# Altium PCB OFFICIAL_TX.PcbDoc (part 2 of 2)
Units mil, origin at the board's own origin, x right, y up, seen from the top; angles counter-clockwise.
Board outline 2055 x 2066 mil, 2 copper layers (Top Layer, Bottom Layer); 109 components, 91 nets, 414 pads, 190 vias.
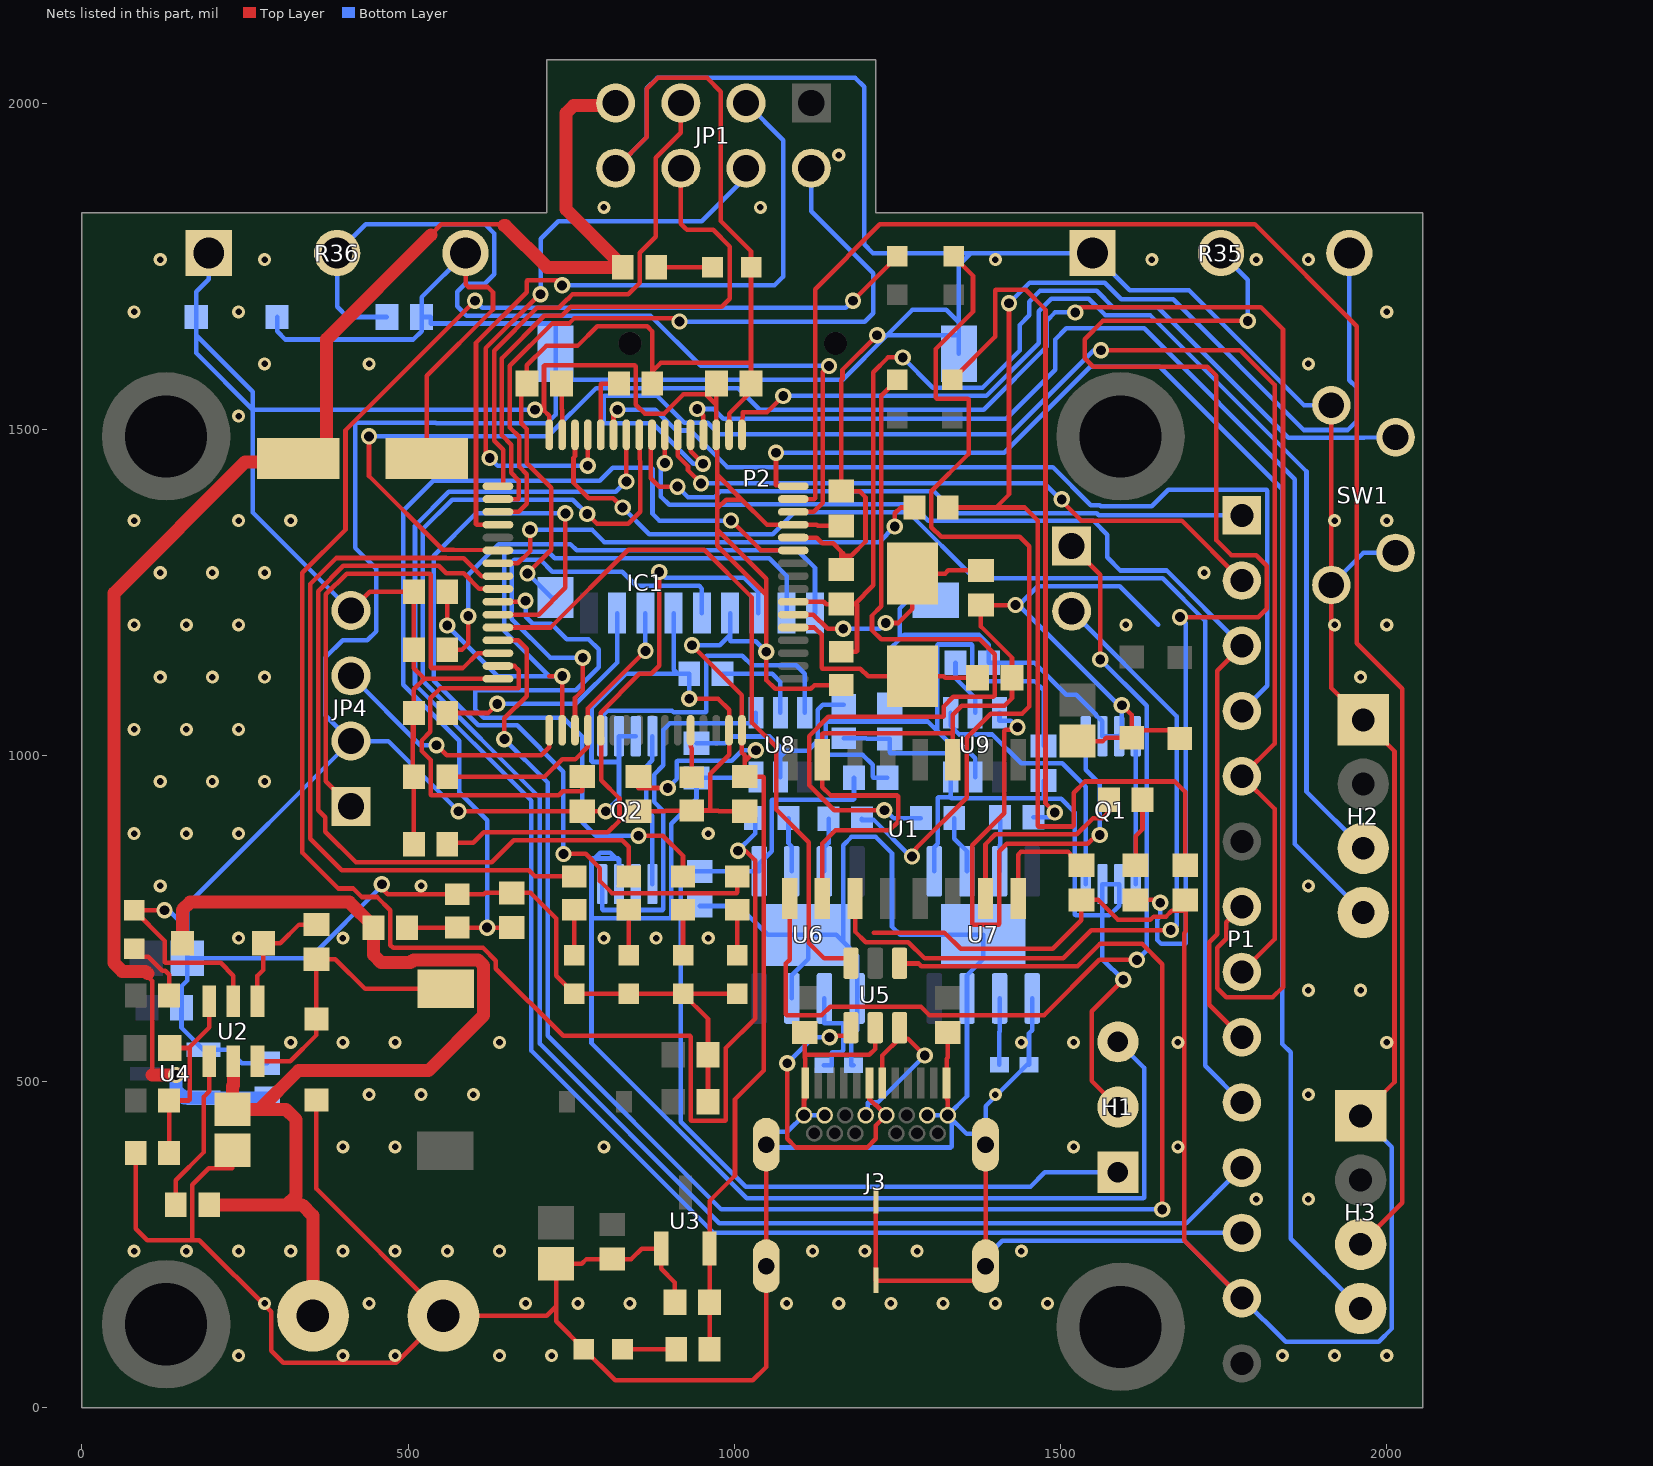
[diagram p2: the nets of this part, all layers, seen from the top]

## Via types
v1: diameter 20, hole 10, Top Layer to Bottom Layer, 106 vias
v2: diameter 25, hole 15, Top Layer to Bottom Layer, 84 vias

## Nets (pads, with @x,y where several pads share a name; then routed paths per layer and width w, separated by ;. In a path a pad name is that pad's centre, name@x,y a point inside that pad or via, vN(x,y) a via of type N, cw(c..) or ccw(c..) an arc to the next point about the centre after c; other vN are vias at no path point) (continued)
+8.4: C18.2 D8.1 KF1.1 R8.2 R18.2 U2.5 | length 1700
  Top Layer w20: D8.1@153.99,712 153.99,763.28 165.71,775 409.84,775 446.87,737.97 446.87,694.17 458.59,682.45 503.88,682.45 507.97,686.54 607.01,686.54 615.8,677.76 615.8,601.5 531.3,517 332,517 272.5,457.5 ; R18.2@195,311 314,311 ; U2.5@232,531 232,494.01 230.99,493 C18.2@230.99,457.5 272.5,457.5 ; KF1.1@354,141 354,294.5 337.5,311 314,311 ; 272.5,457.5 312.5,457.5 328,442 328,325 314,311
Audio_PWM: IC1.39 R10.1 | length 720.4
  Top Layer w7: IC1.39@637.62,1294.53 668.03,1294.53 686.86,1313.36 v2(686.86,1346) ; v2(1246,1351) 1246,1371 1255,1380 R10.1@1276.06,1380
  Bottom Layer w7: v2(686.86,1346) 781.88,1346 800.88,1327 1222,1327 v2(1246,1351)
B+: C31.1 H1.1 R28.2 U6.5 | length 1500
  Bottom Layer w7: R28.2@1183.41,966 1183.41,933 1182.41,932 1058.41,932 1057.41,931 1057.41,853.32 1038.09,834 U6.5@1038.09,822.31 C31.1@947,822.31 919,822.31 918,821.31 918,438.72 1017.72,339 1454,339 1476,361 H1.1@1588,361
B-: C32.1 H1.3 Q2.2 Q2.3 U8.6 | length 2089.3
  Bottom Layer w7: Q2.2@848.8,802.61 Q2.3@823.2,802.61 823.2,837.5 ; U8.6@1033.09,966.59 1024.97,966.59 1024.97,965.43 C32.1@942,965.43 942,934 903,895 903,751.5 902,750.5 782,750.5 781,751.5 ; H1.3@1588,561 1628,521 1628,322 1627,321 1018.75,321 781,558.75 781,751.5 ; 781,751.5 781,837.5 ; 781,837.5 785.5,842 ; 781,837.5 781,841 782,842 785.5,842 ; 785.5,842 794.5,851 809.7,851 818.7,842 ; 785.5,842 818.7,842 ; 818.7,842 823.2,837.5 ; 818.7,842 822.2,842 823.2,841 823.2,837.5
B_COM: C30.1 C33.1 H1.2 Q1.2 Q1.3 R27.2 U7.5 U9.6 | length 1297.2
  Top Layer w7: H1.2@1588,461 1548,501 1548,608 v2(1596,656)
  Bottom Layer w7: R27.2@1167.75,1026.41 1202,1026.41 1202.98,1025.43 C30.1@1238,1025.43 1238,1004.56 1239,1003.56 1330.04,1003.56 1331.6,1002 U9.6@1331.6,966.59 1331.6,939 ; U7.5@1306.58,822.31 1306.58,859 1311.95,864.37 1311.95,935 1312.95,936 1328.6,936 1331.6,939 ; C33.1@1474,961.43 1474,935 ; v2(1596,656) 1564.2,687.8 1564.2,755 ; 1331.6,939 1331.6,935 1332.6,934 1473,934 1474,935 ; 1474,935 1474,934.5 1475,933.5 1501,933.5 1522,912.5 1522,756 1523,755 1564.2,755 ; 1564.2,755 Q1.3@1564.2,802.61 Q1.2@1589.8,802.61 1589.8,769.8 1575,755 1564.2,755
BOOT0: IC1.60 R6.2 | length 72.9
  Top Layer w7: IC1.60@932.9,1038.62 932.9,1013.1 935,1011 R6.2@935,966.59
BOOT1: IC1.28 R7.2 | length 106
  Top Layer w7: IC1.28@795.1,1491.38 795.1,1569 796.1,1570 R7.2@823.08,1570
CHRG_LED: R29.1 U6.7 | length 83.3
  Bottom Layer w7: U6.7@1138.09,822.31 1138.09,859 1144.41,865.32 R29.1@1144.41,903
CHRG_LED_1: R31.1 U7.7 | length 83
  Bottom Layer w7: U7.7@1406.58,822.31 1406.58,863 1407.41,863.83 R31.1@1407.41,905
CLK_SD: IC1.51 P2.5 | length 685
  Top Layer w7: IC1.51@755.73,1038.62 755.73,1088 767.5,1099.77 v2(767.5,1149.55)
  Bottom Layer w7: v2(767.5,1149.55) 718.12,1149.55 659,1208.67 659,1296.12 662.88,1300 702.88,1300 721.11,1281.78 827.94,1281.78 849.72,1260 945.92,1260 950.35,1255.57 P2.5@950.35,1218.16
CS_SD: IC1.50 P2.2 R16.1 | length 1085.1
  Top Layer w7: v2(560.02,1199.02) R16.1@560.02,1251 ; 716.33,1121.5 v2(736.05,1121.5) IC1.50@736.05,1038.62
  Bottom Layer w7: v2(560.02,1199.02) 637.53,1121.5 716.33,1121.5 ; v2(736.05,1121.5) 716.33,1121.5 ; P2.2@1080.28,1218.16 1080.28,1275 1053.28,1302 724.88,1302 714.88,1312 650.88,1312 647,1308.12 647,1190.83 716.33,1121.5
DISPL_CS: IC1.26 P1.12 | length 2506.7
  Top Layer w7: v2(834.47,1420) IC1.26@834.47,1491.38
  Bottom Layer w7: v2(834.47,1420) 818.47,1404 562.5,1404 510.5,1352 510.5,1108.72 689,930.22 689,547.55 968.55,268 P1.12@1778,268
DISPL_DC: IC1.30 P1.10 | length 1919.7
  Top Layer w7: IC1.30@755.73,1491.38 755.73,1458.42 753.41,1456.1 753.41,1417.82 776.86,1394.37 814.36,1394.37 v2(828.73,1380)
  Bottom Layer w7: v2(828.73,1380) 869.73,1339 1058.59,1339 1092,1372.41 1267,1372.41 1367.98,1271.42 1656.55,1271.42 1722,1205.97 1722,524 P1.10@1778,468
DISPL_LED: IC1.38 P1.7 | length 3115.5
  Top Layer w7: v2(440,1489) 440,1428.21 553.21,1315 569.99,1315 IC1.38@637.62,1314.21 ; v2(1522.5,1679) 1530.75,1687.25 1807,1687.25 1841,1653.25 1841,645 1825,629 1754,629 1739.97,643.03 1739.97,705 1754,719.03 1754,744 P1.7@1778,768
  Bottom Layer w7: v2(440,1489) 714,1489 788,1563 1006,1563 1039,1530 1382.17,1530 1479,1626.83 1479,1666.5 1491.5,1679 v2(1522.5,1679)
DISPL_MOSI: IC1.23 P1.3 P1.9 | length 1745.3
  Top Layer w7: v2(893.53,1448) IC1.23@893.53,1491.38 ; P1.9@1778,568 1727.97,618.03 1727.97,713.84 1739.97,725.84 1739.97,1129.97 P1.3@1778,1168
  Bottom Layer w7: v2(893.53,1448) 887.5,1441.97 887.5,1396.5 900,1384 1015,1384 1016,1385 1271.38,1385 1296.96,1359.42 1550.44,1359.42 1571.39,1338.47 1571.39,1303.53 1591.49,1283.42 1662.58,1283.42 P1.3@1778,1168
DISPL_RST: IC1.25 P1.11 | length 2581.5
  Top Layer w7: v2(774.52,1370) 789.52,1355 837.5,1355 856,1373.5 856,1439.16 IC1.25@854.16,1491.38
  Bottom Layer w7: v2(774.52,1370) 752.52,1392 567.5,1392 522.5,1347 522.5,1114.22 702,934.72 702,558 977,283 1693,283 P1.11@1778,368
DISPL_SCK: IC1.21 P1.5 P1.8 | length 2360.8
  Top Layer w7: IC1.21@932.9,1491.38 932.9,1466.1 v2(952,1447) ; v2(1562,1621) 1775,1621 1828.03,1567.97 1828.03,1018.03 P1.5@1778,968 1828.03,917.97 1828.03,718.03 P1.8@1778,668
  Bottom Layer w7: v2(952,1447) 937,1447 875,1509 801,1509 800,1510 800,1550 801,1551 882,1551 923,1510 959,1510 977,1492 1422.07,1492 1551.07,1621 v2(1562,1621)
GND: C1.1 C2.1 C3.1 C4.1 C5.1 C6.1 C7.1 C8.1 C9.1 C10.1 C11.1 C12.2 C14.1 C15.1 C18.1 C20.1 C21.1 C22.1 C23.1 C24.1 C25.1 C26.1 C27.1 C28.1 C29.1 C30.2 C31.2 C40.1 D1.2 D2.2 D3.2 D4.2 D5.1 D6.1 D7.1 D9.1 D10.2 D11.2 D12.2 H2.1 H3.1 IC1.12 IC1.18 IC1.63 J3.A1 J3.A12 J3.B1 J3.B12 J3.G1 J3.G2 J3.G3 J3.G4 J3.S1 J3.S2 J3.S3 J3.S4 JP1.5 JP4.2 KF1.2 P1.13 P2.6 P2.G1 P2.G2 P2.G3 P2.G4 Q1.6 Q1.7 Q2.6 Q2.7 R6.1 R7.1 R9.1 R20.1 R23.1 R24.1 R25.2 R26.2 R35.1 R36.3 SW1.1 SW1.G1 SW1.G2 U1.2 U1.11 U1.15 U2.2 U3.1 U4.1 U5.2 U6.1 U6.3 U6.9 U7.1 U7.3 U7.9 | length 22107.4
  Top Layer w7: R20.1@82.41,390.56 82.41,274.59 100,257 169.05,257 ; v2(126.49,762.53) D10.2@80,762.53 127,715.53 127,683 128,682 212.5,682 232,662.5 U2.2@232,623 ; C18.1@230.99,394.5 229.99,367 194.05,367 169.05,342 169.05,257 ; D9.1@359.43,471.99 359.43,335.57 KF1.2@554,141 ; v2(459.76,802.64) 459.76,796.84 459.46,796.54 468.82,787.18 R9.1@575,787.18 616,787.18 617.97,789.15 C10.1@659,789.15 687.85,789.15 727,750 727,662.02 D1.2@754.67,634.34 D2.2@838.01,634.34 D3.2@921.34,634.34 ; C12.2@528.43,1455 528.43,1581.93 630,1683.5 630,1710 622,1718 592.1,1718 588,1722.1 R36.3@588,1770 ; v2(577.07,914.43) C9.1@767,914.43 v2(803,914.43) ; v2(683,1279) 719.5,1315.5 719.5,1410.5 682,1448 682,1500.36 673.36,1509 673.36,1570 C8.1@682,1570 682,1598 711.64,1627.64 759.53,1627.64 789.66,1657.76 866.34,1657.76 874.26,1649.84 874.26,1588.76 ; JP1.5@818,1900 866,1948 866,2022 882.42,2038.42 958.36,2038.42 979.42,2017.35 979.42,1819.15 1025.57,1773 D12.2@1025.57,1748 1025.57,1601 ; C4.1@853,914.43 893,914.43 893.98,915.41 R6.1@935,915.41 ; R7.1@874.26,1570 874.26,1588.76 ; C22.1@908.85,162 908.85,192 888,212.85 U3.1@888,244 858.02,244 842,227.98 C21.1@812.94,227.98 773.36,227.98 766,220.62 C20.1@726.94,220.62 726.94,155.44 ; v2(930.82,1087) 975,1087 991.95,1070.05 IC1.63@991.95,1038.62 991.95,1001 963,972.05 963,916.41 R6.1@935,915.41 ; C29.1@959.57,469 C27.1@959.57,541 959.57,596.11 D3.2@921.34,634.34 ; IC1.18@991.95,1491.38 991.95,1524 1025.57,1557.62 C5.1@1025.57,1570 1025.57,1601 ; D4.2@1004.67,634.34 D3.2@921.34,634.34 ; C6.1@1016,914.43 975.98,914.43 975,915.41 R6.1@935,915.41 ; J3.S1@1048.89,403.22 J3.S3@1048.89,217 1048.89,62.5 1028.39,42 817.47,42 D11.2@769.47,90 726.94,132.53 726.94,155.44 ; IC1.12@1090.38,1333.9 1126.1,1333.9 1135,1325 1151.5,1325 1164,1312.5 C1.1@1164,1285.05 1166.75,1309.75 1166.75,1306 1179.18,1306 1201,1327.82 1201,1396 1192,1405 C7.1@1164,1405 1164,1575.33 1165.81,1577.14 1165.81,1591 v2(1218.81,1644) ; J3.B12@1106.76,448.5 1106.76,472 1108.73,473.97 J3.A1@1108.73,497.71 1108.73,536 1108,536.73 1108,542 ; C28.1@1108,575.43 1108,542 ; U1.2@1135,780.7 1135,865 1155,885 1237.5,885 1251,898.5 1251,937.5 1250,938.5 1147.5,938.5 1135,951 U1.15@1135,993.3 1135,1033 1136,1034 1334,1034 1335,1033 ; 1214,728.43 1322.07,728.43 1346.8,703.7 1488.2,703.7 1532,747.5 C15.1@1532,778.43 1557.57,778.43 1588,748 1637.57,748 1642.57,753 1661.7,753 1670.31,761.61 C14.1@1691,761.61 ; U5.2@1216,582.59 1216,550 1207,541 1109,541 1108,542 ; J3.G3@1217,317.39 J3.G4@1217,195.35 1217,195 1385.11,195 J3.S4@1385.11,217 J3.S2@1385.11,403.22 ; J3.B1@1327.24,448.5 1327.24,472 1325.27,473.97 J3.A12@1325.27,497.71 1325.27,535 1327.24,536.97 C26.1@1327.24,575.43 ; U1.11@1335,993.3 1335,1033 ; v2(1431,1230.43) C2.1@1378,1230.43 1378,1197.57 1425.57,1150 C3.1@1425.57,1119 1425.57,1087.5 1414.07,1076 1348.5,1076 1335,1062.5 1335,1033 ; C40.1@1526,1022 1565,1022 1569.99,1026.99 D7.1@1609,1026.99 D7.1@1609,1038.49 ; v2(1594,1077) 1609,1062 D7.1@1609,1038.49 ; D6.1@1683,1025.99 1683,1038.49 D7.1@1609,1038.49 ; C14.1@1691,778.43 C14.1@1691,761.61 ; P1.13@1778,168 1689.5,256.5 1689.5,727.69 1692,730.19 1692,760.34 C14.1@1691,761.61 ; SW1.G2@1915.13,1536.8 SW1.G1@1915.13,1261.2 1915.13,1103.3 H2.1@1964,1054.43 2011.87,1006.55 2011.87,499.3 H3.1@1960,447.43 ; 169.05,257 180,257 290,147 290,87.5 308.5,69 482,69 KF1.2@554,141 ; KF1.2@554,141 712.5,141 726.94,155.44 ; 874.26,1588.76 887.5,1602 1024.57,1602 1025.57,1601
  Bottom Layer w7: v2(126.49,762.53) 133,762.53 161.5,734.03 ; C25.1@284,528.15 244.85,528.15 224,549 U4.1@186,549 152.57,582.43 C24.1@152.57,613 152.57,646 161.5,654.92 C23.1@161.5,689.04 ; D5.1@299.17,1672 299.17,1650 311.67,1637.5 508.07,1637.5 520.57,1650 C11.1@520.57,1672 ; v2(459.76,802.64) 459.76,799.76 349.04,689.04 C23.1@161.5,689.04 ; v2(577.07,914.43) 469.5,1022 JP4.2@412.32,1022 ; R36.3@588,1770 520.57,1702.57 C11.1@520.57,1672 ; v2(683,1279) 720.22,1241.78 P2.G1@725.94,1241.78 ; v2(803,914.43) 823.2,934.63 823.2,991 ; JP1.5@818,1900 866,1948 866,2022.9 881.52,2038.42 1185.58,2038.42 1199,2025 1199,1783.5 1212.5,1770 1362.5,1770 ; Q2.7@848.8,1029.39 Q2.6@823.2,1029.39 823.2,991 ; P2.6@907.05,1218.16 907.05,1131.03 913.08,1125 ; v2(930.82,1087) R25.2@930.82,1125 913.08,1125 ; C31.2@947,769.16 1007,769.16 1051.29,724.87 U6.9@1113.09,724.87 ; U6.3@1088.09,627.43 1088.09,663 1113.09,688 U6.9@1113.09,724.87 ; J3.G2@1138.26,448.5 J3.B12@1106.76,448.5 1081.27,423 1048.89,423 J3.S1@1048.89,403.22 1048.89,399 1332,399 1333,400 1333,442 1327.24,442 J3.B1@1327.24,448.5 ; R23.1@1182.64,525 1179,525 1179,569.36 1188.09,578.45 U6.1@1188.09,627.43 1188.09,693 U6.9@1167,714.09 ; v2(1218.81,1644) 1234,1644 ; C30.2@1238,1078.57 1238,1162.5 1253.24,1177.74 ; J3.G1@1295.74,448.5 J3.B1@1327.24,448.5 ; P2.G4@1308.62,1237.84 1266.08,1237.84 1253.24,1225 1253.24,1177.74 ; P2.G3@1344.06,1615.8 P2.G3@1344.06,1644 ; J3.S4@1385.11,217 1385.11,230.1 1410.93,255.93 1690.07,255.93 P1.13@1778,168 1845,101 1987.5,101 2008,121.5 2008,399.43 H3.1@1960,447.43 ; J3.S2@1385.11,403.22 J3.S2@1385.11,419.73 ; v2(1431,1230.43) v2@1435.79,1230.43 ; U7.1@1456.58,627.43 1456.58,578.94 1451.64,574 R24.1@1451.64,526 1448.61,526 1385.11,462.5 J3.S2@1385.11,419.73 ; 1650,1200 1590.58,1259.42 1464.78,1259.42 v2@1435.79,1230.43 ; SW1.G1@1915.13,1261.2 1964.34,1310.42 SW1.1@2013.55,1310.42 ; SW1.G2@1915.13,1536.8 1873.16,1536.8 1696.91,1713.05 1605.95,1713.05 R35.1@1549,1770 1362.5,1770 ; C23.1@161.5,689.04 161.5,734.03 ; 161.5,734.03 161.5,771.17 JP4.2@412.32,1022 ; JP4.2@412.32,1022 373,1061.32 373,1150 399.5,1176.5 437.5,1176.5 451,1190 451,1286 419,1318 419,1509 420,1510 542,1510 543,1509 712.5,1509 725.94,1522.44 P2.G2@725.94,1576 ; C11.1@520.57,1672 534.42,1672 534.42,1662 724.94,1662 725.94,1661 P2.G2@725.94,1615.8 P2.G2@725.94,1576 ; P2.G2@725.94,1576 1166,1576 1234,1644 ; 823.2,991 822.11,989.91 782,989.91 781,990.91 781,1072 834,1125 913.08,1125 ; U6.9@1113.09,724.87 1156.22,724.87 U6.9@1167,714.09 ; U6.9@1167,714.09 1167,862.5 1179.5,875 1216.5,875 1241.63,849.87 1241.63,737.5 1254.27,724.87 U7.9@1381.58,724.87 1381.58,688 1356.58,663 U7.3@1356.58,627.43 1356.58,477.84 J3.B1@1327.24,448.5 ; 1234,1644 P2.G3@1344.06,1644 ; 1234,1644 1273,1683 1325,1683 1344.06,1663.94 ; 1253.24,1177.74 1260.5,1185 1375,1185 1390.17,1169.83 R26.2@1390.17,1142 1460,1142 1508.87,1093.13 1524.32,1093.13 1548.86,1068.59 1554.99,1062.46 1554.99,1060.7 1559.09,1056.59 1559.83,1056.59 1564.2,1052.22 Q1.6@1564.2,1029.39 Q1.7@1589.8,1029.39 1594,1033.59 v2(1594,1077) 1589.21,1077 v2@1435.79,1230.43 ; J3.B1@1327.24,448.5 1356,419.73 J3.S2@1385.11,419.73 ; P2.G3@1344.06,1644 1344.06,1663.94 ; 1344.06,1663.94 1344.06,1751.56 1362.5,1770
  other v1: 240,80 400,80 480,80 640,80 720,80 1840,80 1920,80 2000,80 280,160 440,160 680,160 760,160 840,160 1080,160 1160,160 1240,160 1320,160 1400,160 1480,160 80,240 160,240 240,240 320,240 400,240 480,240 560,240 640,240 1120,240 1200,240 1280,240 1440,240 1800,320 1880,320 400,400 480,400 800,400 1520,400 1680,400 440,480 520,480 600,480 1400,480 1880,480 320,560 400,560 480,560 640,560 1440,560 1520,560 1680,560 2000,560 1880,640 1960,640 240,720 400,720 800,720 880,720 960,720 120,800 520,800 1880,800 80,880 160,880 240,880 960,880 120,960 200,960 280,960 80,1040 160,1040 240,1040 120,1120 200,1120 280,1120 1960,1120 80,1200 160,1200 240,1200 1600,1200 1920,1200 2000,1200 120,1280 200,1280 280,1280 1720,1280 80,1360 240,1360 320,1360 1920,1360 2000,1360 240,1520 280,1600 440,1600 1880,1600 80,1680 240,1680 2000,1680 120,1760 280,1760 1400,1760 1640,1760 1800,1760 1880,1760 800,1840 1040,1840 1160,1920
JOY1_X: H3.3 IC1.15 | length 2753.4
  Top Layer w7: IC1.15@1090.38,1392.95 1122.77,1392.95 1123.81,1394 1123.81,1714.81 1223,1814 1798,1814 1954,1658 1954,1172 2023.87,1102.13 2023.87,314.45 H3.3@1960,250.58
JOY1_Y: H3.4 IC1.16 | length 2290.9
  Top Layer w7: v2(1063.86,1464) 1063.86,1413.78 IC1.16@1090.38,1412.64
  Bottom Layer w7: v2(1063.86,1464) 1413.56,1464 1545.49,1595.93 1652.07,1595.93 1840.03,1407.97 1840.03,557.67 1853,544.7 1853,259.15 H3.4@1960,152.15
JOY2_X: H2.3 IC1.17 | length 1723.3
  Top Layer w7: IC1.17@1011.64,1491.38 1012.64,1526 1050,1526 v2(1075,1551)
  Bottom Layer w7: v2(1075,1551) 1386,1551 1466.62,1631.62 1466.62,1680.93 1485.69,1700 1543.5,1700 1568.5,1675 1637.21,1675 1877,1435.21 1877,944.58 H2.3@1964,857.58
JOY2_Y: H2.4 IC1.20 | length 1854
  Top Layer w7: v2(943,1531) 952.58,1521.42 IC1.20@952.58,1491.38
  Bottom Layer w7: v2(943,1531) 968.19,1531 983.19,1516 1417,1516 1492,1591 1492,1637.5 1509,1654.5 1628.03,1654.5 1859,1423.53 1859,864.15 H2.4@1964,759.15
LED1: IC1.40 R1.1 | length 1135
  Top Layer w7: IC1.40@637.62,1274.84 612.5,1274.84 585.13,1302.21 558.78,1302.21 558.39,1302.61 389.75,1302.61 349.9,1262.76 349.9,872.1 398,824 685,824 694.42,814.58 R1.1@754.67,814.58
LED2: IC1.41 R2.1 | length 1228.1
  Top Layer w7: IC1.41@637.62,1255.16 609,1255.16 585.16,1279 558.61,1279 547,1290.61 400.61,1290.61 361.9,1251.9 361.9,916.1 373,905 373,883 420,836 628,836 662,870 828.01,870 838.01,860 R2.1@838.01,814.58
LED3: IC1.42 R3.1 | length 979.6
  Top Layer w7: IC1.42@637.62,1235.47 678.47,1235.47 v2(680,1237) ; v2(853,877) 890.34,877 921.34,846 R3.1@921.34,814.58
  Bottom Layer w7: v2(680,1237) 680,1212.78 691,1201.78 719.38,1201.78 743,1178.16 776.39,1178.16 792.06,1162.5 792.06,1135.06 757,1100 604,1100 603.16,1099.16 603.16,1070.44 615.6,1058 738,1058 767,1029 767,897.5 787.5,877 v2(853,877)
LED4: IC1.43 R5.1 | length 1365.6
  Top Layer w7: IC1.43@637.62,1215.79 700,1215.79 741,1256.79 v2(741,1371) ; v2(738,849) 772,849 794,827 794,807.5 812.5,789 1003.67,789 1004.67,790 R5.1@1004.67,814.58
  Bottom Layer w7: v2(738,849) 738,975 667,1046 607.69,1046 539,1114.69 539,1306 604,1371 v2(741,1371)
MISO_SD: IC1.52 P2.7 R13.1 | length 476.2
  Top Layer w7: R13.1@560.02,967 709,967 736,994 756.42,994 775.42,1013 IC1.52@775.42,1038.62 775.42,1071.92 v2(863.74,1160.24)
  Bottom Layer w7: v2(863.74,1160.24) P2.7@863.74,1218.16
MOSI_SD: IC1.53 P2.3 R12.1 | length 917.3
  Top Layer w7: R12.1@560.02,863.85 560.02,866 600,866 616,882 806,882 824,900 824,934 796,962 796,1020.1 IC1.53@795.1,1038.62 795.1,1065.6 854.5,1125 872.5,1125 885,1137.5 v2(885,1281)
  Bottom Layer w7: v2(885,1281) 894,1272 1014.97,1272 1036.97,1250 P2.3@1036.97,1218.16
NetC13_1: C13.1 R35.2 | length 1823.8
  Top Layer w7: C13.1@1615,778.43 1648.43,778.43 1652.85,774 v2(1653,774) ; v2(1683,1212) 1803.03,1212 1816.03,1225 1816.03,1290.97 1800,1307 1762,1307 1739,1330 1739,1581.93 1725,1595.93 1550,1595.93 1537.07,1608.85 1537.07,1638.07 1565,1666 v2(1787,1666)
  Bottom Layer w7: v2(1653,774) 1653,753.42 1648.05,748.47 1648.05,717.05 1654.1,711 1691,711 1692,712 1692,1203 v2(1683,1212) ; R35.2@1745.85,1770 1787,1728.85 v2(1787,1666)
NetC13_2: C13.2 R11.1 | length 104.8
  Top Layer w7: C13.2@1615,831.57 1615,876 1625.59,886.59 R11.1@1625.59,932
NetC14_2: C14.2 R10.2 R35.3 | length 2246.4
  Top Layer w7: R10.2@1327.24,1380 1401,1380 ; v2(1421,1693) 1421,1400 1401,1380 ; C14.2@1691,831.57 1691,944 1675,960 1537.5,960 1520,942.5 1520,892 1519,891 1466,891 1465,892 1465,1360 1445,1380 1401,1380
  Bottom Layer w7: v2(1421,1693) 1452.5,1724.5 1567.5,1724.5 1593,1699 1672.77,1699 1873,1498.77 1940.27,1498.77 1954,1512.5 1954,1564 1942.7,1575.3 R35.3@1942.7,1770
NetC15_2: C15.2 U1.8 | length 175.5
  Top Layer w7: U1.8@1435,780.7 1435,847.9 1439.1,852 1511.57,852 1515.81,847.76 1515.81,845.79 1530.03,831.57 C15.2@1532,831.57
NetC16_1: C16.1 R17.1 R20.2 U2.3 | length 306.1
  Top Layer w7: R20.2@133.59,390.56 R17.1@133.59,471.04 164,471.04 165,472.04 165,550.52 164,551.52 163.52,551.52 ; C16.1@134.57,551.52 163.52,551.52 ; U2.3@195,623 195,583 163.52,551.52
NetC17_1: C17.1 D9.2 L1.1 U2.6 | length 440.3
  Top Layer w7: U2.6@269,531 319,531 359.43,571.43 C17.1@359.43,687.59 388.41,687.59 433.98,642.02 L1.1@557.49,642.02
NetC17_2: C17.2 D8.2 U2.1 | length 186.1
  Top Layer w7: U2.1@269,623 269,662 278.01,671.01 D8.2@278.01,712 304,712 332.74,740.74 C17.2@359.43,740.74
NetC32_2: C32.2 R27.1 U8.5 | length 343.6
  Bottom Layer w7: C32.2@942,1018.57 986.11,1018.57 996.54,1029 1054,1029 1070.49,1012.51 1070.49,998 ; U8.5@1070.49,966.59 1070.49,998 ; R27.1@1167.75,1077.59 1135.6,1077.59 1128.01,1070 1128.01,1022.51 1112.5,1007 1079.49,1007 1070.49,998
NetC33_2: C33.2 R28.1 U9.5 | length 892
  Bottom Layer w7: R28.1@1234.59,966 1213,966 1212,967 1212,985.5 1196.5,1001 1141,1001 1140.01,1001.99 1140.01,1051.01 1141,1052 1296.56,1052 1311,1037.56 ; U9.5@1369,966.59 1369,995.56 1349,1015.56 1333,1015.56 1311,1037.56 ; C33.2@1474,1014.57 1474,1100 1460,1114 1365.93,1114 1364.93,1115 1364.93,1169 1363.93,1170 1312,1170 1311,1169 1311,1037.56
NetD1_1: D1.1 R1.2 | length 70
  Top Layer w7: D1.1@754.67,693.4 R1.2@754.67,763.4
NetD2_1: D2.1 R2.2 | length 70
  Top Layer w7: D2.1@838.01,693.4 R2.2@838.01,763.4
NetD3_1: D3.1 R3.2 | length 70
  Top Layer w7: D3.1@921.34,693.4 R3.2@921.34,763.4
NetD4_1: D4.1 R5.2 | length 70
  Top Layer w7: D4.1@1004.67,693.4 R5.2@1004.67,763.4
NetD10_1: D10.1 R19.1 | length 101.9
  Top Layer w7: D10.1@80,703.47 92.25,691.22 101.81,691.22 123.03,670 127.59,670 133.59,664 R19.1@133.59,632
NetD11_1: D11.1 R21.1 | length 82.3
  Top Layer w7: D11.1@828.53,90 R21.1@910.82,90
NetD12_1: D12.1 R22.1 | length 86.3
  Top Layer w7: R22.1@880.18,1748 D12.1@966.52,1748
NetD14_2: D14.2 R30.1 | length 3083.7
  Top Layer w7: v2(602.5,1697) 404,1498.5 404,1345.81 337.9,1279.71 337.9,851.1 393,796 415.84,796 428.84,783 452.32,783 472.82,762.5 472.82,709.14 476.92,705.04 614.68,705.04 634.3,685.42 634.3,673.2 737.5,570 932,570 933,569 933,441 934,440 986,440 987,441 987,551.5 1032,596.5 1032,839 1017,854 v2(1005.5,854) ; v2(1181.94,1697) D14.2@1250,1765.06
  Bottom Layer w7: v2(602.5,1697) 613.5,1686 1170.94,1686 v2(1181.94,1697) ; v2(1005.5,854) 1031.82,880.32 R30.1@1031.82,904
NetD15_2: D15.2 R32.1 | length 1253
  Top Layer w7: v2(1230,916) 1153.03,916 1114.69,954.34 1114.69,1029.66 1144.03,1059 1320,1059 1321,1060 1321,1075 1335.81,1089.81 1397,1089.81 1399,1091.81 1399,1155 1376,1178 1225,1178 1211,1192 1211,1214.39 1225,1228.39 1225,1551.06 D15.2@1250,1576.06
  Bottom Layer w7: v2(1230,916) 1231.5,916 1243.5,904 R32.1@1286,904
NetD16_2: D16.2 R29.2 | length 1365.3
  Top Layer w7: v2(1272.24,845.17) 1272.24,850.04 1279.1,856.9 1279.1,858.1 1356,935 1356,1027 1393,1064 1441,1064 1452,1075 1452,1320.5 1437.5,1335 1317,1335 1302,1350 1302,1405 1359,1462 1359,1546 1358,1547 1310,1547 1309,1548 1309,1622.97 1365.82,1679.79 1365.82,1735.24 D16.2@1336,1765.06
  Bottom Layer w7: R29.2@1195.59,903 1195.59,901 1214,901 1269.83,845.17 v2(1272.24,845.17)
NetD17_2: D17.2 R31.2 | length 1066.6
  Top Layer w7: D17.2@1334,1576.06 1400,1642.06 1400,1713 1401,1714 1446.45,1714 1477,1683.45 1477,926.5 v2(1491,912.5)
  Bottom Layer w7: R31.2@1458.59,905 1483.5,905 v2(1491,912.5)
NetJ3_A6: J3.A6 J3.B6 U5.1 | length 493.4
  Top Layer w7: v2(1081,528) 1081,412.5 1094.5,399 1203.5,399 1217,412.5 1217,432.75 J3.B6@1232.75,448.5 1217,464.24 1215.62,464.24 1207.16,472.71 J3.A6@1207.16,497.71 ; v2(1146,568) 1148,570 1178.6,570 U5.1@1178.6,582.59
  Bottom Layer w7: v2(1081,528) 1121,568 v2(1146,568)
NetJ3_A7: J3.A7 J3.B7 U5.3 | length 283.5
  Top Layer w7: J3.A7@1226.84,497.71 1226.84,540 U5.3@1253.4,566.56 ; U5.3@1253.4,582.59 U5.3@1253.4,566.56 ; v2(1292,540) 1266,566 1253.4,566 U5.3@1253.4,566.56
  Bottom Layer w7: J3.B7@1201.25,448.5 1204.81,452.05 1204.81,467.46 1205.35,468 1220,468 v2(1292,540)
NetJP5_1: JP5.1 U1.1 | length 1452.6
  Top Layer w7: U1.1@1085,780.7 1085,687 1079,681 1079,603 1080,602 1134,602 1146.91,614.91 1286.09,614.91 1299,602 1475,602 1559.56,686.56 v2(1617,686.56) ; JP5.1@1517,1321 1561,1277 v2(1561,1147)
  Bottom Layer w7: v2(1561,1147) 1632,1076 1632,701.56 v2(1617,686.56)
NetJP5_2: JP5.2 U1.3 | length 1130.3
  Top Layer w7: U1.3@1185,780.7 1185,730 1201.27,713.73 1266.84,713.73 1291.57,689 1504,689 1547,732 1668.59,732 v2(1669.05,732.45)
  Bottom Layer w7: JP5.2@1517,1221 1678.28,1059.72 1678.28,739.28 1671.45,732.45 v2(1669.05,732.45)
NetP2_1: P2.1 R15.1 | length 777
  Top Layer w7: R15.1@560.02,1162 582.5,1162 592,1171.5 v2(592,1213.5)
  Bottom Layer w7: v2(592,1213.5) 592,1277.12 638.88,1324 748.54,1324 758.16,1314.38 1096.7,1314.38 1123.58,1287.5 P2.1@1123.58,1218.16
NetP2_8: P2.8 R14.1 | length 368.3
  Top Layer w7: R14.1@560.02,1065 622.5,1065 v2(636.5,1079)
  Bottom Layer w7: v2(636.5,1079) 757.06,1079 820.43,1142.38 P2.8@820.43,1218.16
NetQ1_1: Q1.1 Q1.8 | length 226.8
  Bottom Layer w7: Q1.1@1615.39,802.61 Q1.8@1615.39,1029.39
NetQ1_4: Q1.4 U9.1 | length 415.1
  Bottom Layer w7: U9.1@1331.6,1065.41 1331.6,1045.4 1345,1032 1395.5,1032 1439.5,988 1502.61,988 1538.61,952 Q1.4@1538.61,802.61
NetQ1_5: Q1.5 U9.3 | length 861.1
  Top Layer w7: v2(1434,1043) 1434,1042.5 1430.5,1039 1415,1039 1414,1038 1414,911.31 1364.69,862 1364.69,742 1365.98,740.7 1405,740.7 1406,741.7 1406,853 1417.66,864.66 1541.79,864.66 1555.13,878 v2(1560,878)
  Bottom Layer w7: U9.3@1406.4,1065.41 1406.4,1053 1424,1053 v2(1434,1043) ; Q1.5@1538.61,1029.39 1538.61,978 1560,956.61 v2(1560,878)
NetQ2_1: Q2.1 Q2.8 | length 234.5
  Bottom Layer w7: Q2.1@874.39,802.61 874.39,907.61 865,917 865,983 874.39,992.39 Q2.8@874.39,1029.39
NetQ2_4: Q2.4 U8.1 | length 582.1
  Bottom Layer w7: Q2.4@797.61,802.61 797.61,764 798.61,763 890,763 891,764 891,914.64 877,928.64 877,970.64 891,984.64 891,1039 901,1049 1033.09,1049 U8.1@1033.09,1065.41
NetQ2_5: Q2.5 U8.3 | length 503.1
  Bottom Layer w7: Q2.5@797.61,1029.39 797.61,1060.98 805.25,1068.61 904.39,1068.61 907,1066 955.77,1066 956.77,1067 956.77,1152 957.77,1153 1012,1153 1027,1138 1094.89,1138 1107.89,1125 U8.3@1107.89,1065.41
NetR11_2: R11.2 U1.7 | length 311.8
  Top Layer w7: U1.7@1385,780.7 1385,864 1400,879 1525,879 1549.79,903.79 1564.79,903.79 1574.41,913.41 R11.2@1574.41,932
NetR18_1: R18.1 U2.4 | length 241.2
  Top Layer w7: R18.1@143.82,311 143.82,348.82 187,392 187,477 195,485 U2.4@195,531
NetR23_2: R23.2 U6.2 | length 158
  Bottom Layer w7: R23.2@1137.36,525 1148.97,525 1148.97,544 1149.97,545 1164,545 1167,548 1167,588.45 1166,589.45 1138.09,589.45 U6.2@1138.09,627.43
NetR24_2: R24.2 U7.2 | length 101.5
  Bottom Layer w7: R24.2@1406.36,526 1406.36,576 1406.58,576.22 U7.2@1406.58,627.43
NetR25_1: R25.1 U8.2 | length 140.8
  Bottom Layer w7: R25.1@982,1125 1057.99,1125 1070.49,1112.5 U8.2@1070.49,1065.41
NetR26_1: R26.1 U9.2 | length 89
  Bottom Layer w7: R26.1@1338.98,1142 1338.98,1118.02 1369,1088 U9.2@1369,1065.41
NRST: C1.2 IC1.7 R4.1 SW1.2 | length 1581.1
  Top Layer w7: IC1.7@1090.38,1235.47 1137.21,1235.47 1140.78,1231.9 C1.2@1164,1231.9 1184.36,1231.9 ; R4.1@1164,1159 1187,1159 1188,1160 1188,1230.9 1184.36,1231.9 ; v2(1258,1610) 1235.5,1610 1213,1587.5 1213,1260.54 1184.36,1231.9
  Bottom Layer w7: v2(1258,1610) 1304.33,1563.67 1380.35,1563.67 1437.28,1620.61 1437.28,1659.78 1452.02,1674.52 1452.02,1695.54 1468.48,1712 1555.5,1712 1580.5,1687 1649.08,1687 1849.32,1486.77 1965.15,1486.77 SW1.2@2013.55,1487.58
OSC_IN: C3.2 IC1.5 Y1.2 | length 343.7
  Top Layer w7: IC1.5@1090.38,1196.1 1122.71,1196.1 1134,1184.81 1134,1134.05 1135,1133.05 1193.21,1133.05 1205,1121.26 Y1.2@1273,1121.26 1321,1121.26 1323.26,1119 C3.2@1372.43,1119
OSC_OUT: C2.2 IC1.6 Y1.1 | length 365.2
  Top Layer w7: IC1.6@1090.38,1215.79 1121.21,1215.79 1143,1194 v2(1167,1194) ; v2(1232,1203) 1251,1203 1273,1225 Y1.1@1273,1278.74 1323,1278.74 1327.83,1283.57 C2.2@1378,1283.57
  Bottom Layer w7: v2(1167,1194) 1223,1194 v2(1232,1203)
PIN_MEAS: C10.2 IC1.11 R8.1 R9.2 | length 1571
  Top Layer w7: R8.1@498.06,736 R9.2@575,736 617,736 v2(621,736) C10.2@659,736 ; v2(995,1360) 1040.79,1314.21 IC1.11@1090.38,1314.21
  Bottom Layer w7: v2(621,736) 621,900.87 578.45,943.42 578.45,1022.55 492.5,1108.5 492.5,1375 538.6,1421.1 793.57,1421.1 813.47,1441 872.49,1441 874.5,1438.99 874.5,1370.55 885.05,1360 v2(995,1360)
RF_CE: IC1.34 JP1.6 | length 899.7
  Top Layer w7: IC1.34@637.62,1392.95 668.7,1392.95 669.74,1394 669.74,1421.26 658,1433 658,1476.36 643.78,1490.58 643.78,1609 708.78,1674 735.53,1674 749.03,1687.5 980.5,1687.5 993,1700 993,1780 967.42,1805.58 927.42,1805.58 925.02,1807.98 918,1815 JP1.6@918,1900
RF_CSN: IC1.33 JP1.3 | length 790
  Top Layer w7: IC1.33@637.62,1412.64 646,1412.64 646,1468.34 631.78,1482.56 631.78,1620.22 697.56,1686 730.56,1686 744.06,1699.5 744.7,1699.5 751.93,1706.73 837.5,1706.73 854.95,1724.18 854.95,1770.22 879.58,1794.85 879.58,1915.91 918,1954.34 JP1.3@918,2000
RF_MISO: IC1.35 JP1.8 | length 1127.6
  Top Layer w7: IC1.35@637.62,1373.27 669.27,1373.27 682,1386 682,1430.78 670,1442.78 670,1488.36 655.78,1502.58 655.78,1597 720.78,1662 746.53,1662 754.3,1669.76 911.24,1669.76 v2(916,1665)
  Bottom Layer w7: v2(916,1665) 1200,1665 1213,1678 1213,1739 1118,1834 JP1.8@1118,1900
RF_MOSI: IC1.36 JP1.2 | length 1133.2
  Top Layer w7: IC1.36@637.62,1353.58 605,1353.58 604,1354.58 604,1632.5 681.53,1710.03 681.53,1727 682.88,1728.35 731.9,1728.35 736,1724.25 v2(736,1720.5)
  Bottom Layer w7: v2(736,1720.5) 1061.5,1720.5 1075,1734 1075,1943 JP1.2@1018,2000
RF_SCK: IC1.29 JP1.7 | length 944.2
  Top Layer w7: v2(625,1456) 619,1462 619,1624.41 701.59,1707 v2(703,1707) ; v2(775.42,1444) IC1.29@775.42,1491.38
  Bottom Layer w7: v2(625,1456) 637,1444 v2(775.42,1444) ; v2(703,1707) 703,1792 730,1819 950,1819 1018,1887 JP1.7@1018,1900
STDBY_LED: R30.2 U6.6 | length 83.8
  Bottom Layer w7: R30.2@1083,904 1083,865.09 1088.09,860 U6.6@1088.09,822.31
STDBY_LED_1: R32.2 U7.6 | length 89.7
  Bottom Layer w7: R32.2@1337.18,904 1337.18,872.4 1356.58,853 U7.6@1356.58,822.31
SWCLK: IC1.49 JP4.3 | length 385.9
  Top Layer w7: v2(543.5,1015.5) 559,1000 703.86,1000 716.36,1012.5 IC1.49@716.36,1038.62
  Bottom Layer w7: JP4.3@412.32,1122 518.82,1015.5 v2(543.5,1015.5)
SWDIO: IC1.46 JP4.1 | length 770.2
  Top Layer w7: JP4.1@412.32,922 373.9,960.42 373.9,1246.9 405.61,1278.61 533.18,1278.61 534.78,1277 534.78,1135 535.78,1134 584,1134 606.73,1156.73 IC1.46@637.62,1156.73
TOUCH_CS: IC1.27 P1.4 | length 1463.4
  Top Layer w7: IC1.27@814.79,1491.38 814.79,1523.79 v2(821,1530)
  Bottom Layer w7: v2(821,1530) 879,1530 911,1498 933,1498 989,1442 1487.78,1442 1546.36,1383.42 1560.38,1383.42 1561.73,1382.07 1640.07,1382.07 1665,1407 1816,1407 1817,1406 1817,1107 P1.4@1778,1068
TOUCH_INT: IC1.24 P1.1 | length 1003.5
  Top Layer w7: IC1.24@873.84,1491.38 872,1471.16 872,1425 885,1412 v2(913,1412)
  Bottom Layer w7: v2(913,1412) 929,1396 969.79,1396 978.79,1405 1306,1405 1339.58,1371.42 1555.41,1371.42 1558.83,1368 P1.1@1778,1368
TOUCH_MISO: IC1.22 P1.2 | length 981.3
  Top Layer w7: IC1.22@913.21,1491.38 913.21,1459 929,1443.21 929,1437 v2(949,1417) ; v2(1502,1392.42) 1502,1390 1532,1360 1686,1360 P1.2@1778,1268
  Bottom Layer w7: v2(949,1417) 1475,1417 1499.58,1392.42 v2(1502,1392.42)
USB_DM: IC1.44 U5.6 | length 1116.3
  Top Layer w7: IC1.44@637.62,1196.1 718.25,1196.1 837.15,1315 954,1315 1027,1242 1027,1050 1064,1013 1064,917 1114,867 1114,712.5 1137.5,689 1178.6,689 U5.6@1178.6,681.41
USB_DP: IC1.45 U5.4 | length 2544.3
  Top Layer w7: IC1.45@637.62,1176.42 669,1176.42 681.74,1163.67 681.74,1090.96 647.5,1056.71 v2(647.5,1025) ; U5.4@1253.4,681.41 1253.81,681 1282.59,681 1286.59,677 1526,677 1560,711 1625,711 1656,680 v2(1656,304)
  Bottom Layer w7: v2(647.5,1025) 714,958.5 714,570 980,304 v2(1656,304)
VCAP_1: C8.2 IC1.31 | length 79
  Top Layer w7: C8.2@735.15,1570 735.15,1530.9 736.05,1530 IC1.31@736.05,1491.38
VCAP_2: C9.2 IC1.47 | length 619.7
  Top Layer w7: IC1.47@637.62,1137.05 663,1137.05 669.74,1130.3 669.74,1104 668.7,1102.96 549.52,1102.96 534.07,1087.5 534.07,1036 520.83,1022.77 520.83,1006.71 534.55,993 534.55,940 535.55,939 731,939 737,945 766,945 767,946 C9.2@767,967.57
VCC: C4.2 C5.2 C6.2 C7.2 C22.2 D5.2 IC1.13 IC1.19 IC1.32 IC1.48 IC1.64 JP4.4 P2.4 R4.2 R12.2 R13.2 R14.2 R15.2 R16.2 R21.2 R36.1 U3.2 | length 5050.2
  Top Layer w7: JP4.4@412.32,1222 441.32,1251 R16.2@508.83,1251 R15.2@508.83,1162 508.83,1133.53 525,1117.36 ; R12.2@508.83,863.85 R13.2@508.83,967 507.05,967 507.05,1047 507.94,1047.89 508,1047.89 R14.2@508.83,1047.05 ; 508.83,1023.49 R14.2@508.83,1047.05 ; IC1.48@637.62,1117.36 525,1117.36 ; v2(694.36,1530) 706.86,1530 708.22,1528.64 ; IC1.32@716.36,1491.38 716.36,1520.5 708.22,1528.64 ; C4.2@853,967.57 853,950 v2(898,950) ; v2(935,1169) 1011.64,1092.36 IC1.64@1011.64,1038.62 1011.64,1004.36 1016,1000 1016,991 ; R21.2@962,90 C22.2@962,162 U3.2@962,244 962,317 1001,356 1001,473 1045,517 1045,966.57 1044,967.57 C6.2@1016,967.57 1016,991 ; C5.2@972.43,1570 972.43,1553.5 IC1.19@972.27,1491.38 ; v2(1033,1008) 1016,991 ; R4.2@1164,1107.82 1122.82,1107.82 1117,1102 1062.5,1102 1049,1115.5 v2(1049,1159) 1049,1246 ; C7.2@1164,1351.85 1127.73,1351.85 1126,1353.58 IC1.13@1090.38,1353.58 1050,1353.58 1011.58,1392 ; R14.2@508.83,1047.05 R14.2@508.83,1065 508.83,1101.2 525,1117.36 ; 708.22,1528.64 708.22,1597 709.4,1598.19 847.02,1598.19 849,1596.2 849,1537.5 862.5,1524 892.5,1524 922,1553.5 956.27,1553.5 972.27,1537.5 IC1.19@972.27,1491.38 ; IC1.19@972.27,1491.38 972.27,1468 973.58,1468 973.58,1430 ; 973.58,1430 1011.58,1392 ; 973.58,1430 973.58,1321.42 1049,1246 ; 1011.58,1392 987.5,1392 974,1378.5 974,1345.71 1049,1270.71 1049,1246
  Bottom Layer w7: R36.1@194.3,1770 194.3,1730.15 175.15,1711 D5.2@175.15,1672 175.15,1644 ; JP4.4@412.32,1222 262,1372.32 262,1530 ; v2(694.36,1530) 262,1530 ; v2(898,950) 912,964 912,991 913,992 996,992 1012,1008 v2(1033,1008) ; v2(935,1169) 977.66,1169 993.66,1185 ; P2.4@993.66,1218.16 993.66,1185 ; v2(1049,1159) 1033,1175 994.66,1175 993.66,1176 993.66,1185 ; 175.15,1644 175.15,1616.85 262,1530 ; 175.15,1644 262,1557.15 262,1530
VCCNRF: C12.1 C25.2 JP1.4 R22.2 U4.2 | length 2491.5
  Top Layer w7: 101.17,665.7 101.17,660.69 107.64,654.22 107.64,510.01 ; 535,1798 550.93,1813.93 645.13,1813.93 647.07,1812
  Top Layer w20: 101.17,665.7 100.8,665.7 97.5,669 61.76,669 49.25,681.51 49.25,1248.84 250.3,1449.89 326.46,1449.89 C12.1@331.57,1455 375,1455 375,1638 535,1798 ; 107.64,510.01 v2(144,510) ; 647.07,1812 649,1812 713,1748 R22.2@829,1748 829,1749.97 742,1836.97 742,1984.51 753.72,1996.23 814.23,1996.23 JP1.4@818,2000
  Bottom Layer w20: v2(144,510) 144,487.5 156.5,475 U4.2@186,475 C25.2@284,475
VR_FAN_Speed: C11.2 IC1.14 R36.2 | length 1455.3
  Top Layer w7: IC1.14@1090.38,1373.27 1121.58,1373.27 1135.81,1387.5 1135.81,1587.81 v2(1145,1597)
  Bottom Layer w7: C11.2@467.43,1672 406.65,1672 391.15,1687.5 R36.2@391.15,1770 435.15,1814 618,1814 632,1800 632,1737.5 617.5,1723 587.5,1723 575,1710.5 575,1688.5 589.5,1674 871.5,1674 948.5,1597 v2(1145,1597)
pads on no net: IC1.1 IC1.2 IC1.3 IC1.4 IC1.8 IC1.9 IC1.10 IC1.37 IC1.54 IC1.55 IC1.56 IC1.57 IC1.58 IC1.59 IC1.61 IC1.62 J3.A2 J3.A3 J3.A5 J3.A8 J3.A10 J3.A11 J3.B2 J3.B3 J3.B5 J3.B8 J3.B10 J3.B11 JP1.1 P1.6 P2. P2.9 U1.9 U1.10 U1.14 U1.16 U8.4 U9.4

## Polygon pours and split planes (outlines as drawn)
GND on Top Layer "GND_L01_P000" (solid, pour order 0): 0,0 2055,0 2055,1832 2054.5,1832.5 1215.5,1832.5 1215.5,2065.5 1215,2066 712,2066 712,1833 713,1832 0,1832
GND on Bottom Layer "GND_L02_P001" (solid, pour order 1): 0,0 2055,0 2055,1832 1216,1832 1216,2065 1215,2066 712,2066 712,1833 713,1832 0,1832

## Keep-outs
Keep-Out Layer:
  lines w10: 0,0 0,1832 713,1832 cw(c715.41,1834.41) 712,1834.41 712,2066 1215,2066 1215,1833 1216,1832 2055,1832 2055,0 0,0